# Altium PCB MB1191.PcbDoc (part 7 of 7)
Units mm, origin at the board's own origin, x right, y up, seen from the top; angles counter-clockwise.
Board outline 130 x 80 mm, 8 copper layers (Top, F2, F3, F4, F5, F6, F7, Bottom), stack 1.115 mm thick; 358 components, 347 nets, 1452 pads, 1074 vias.
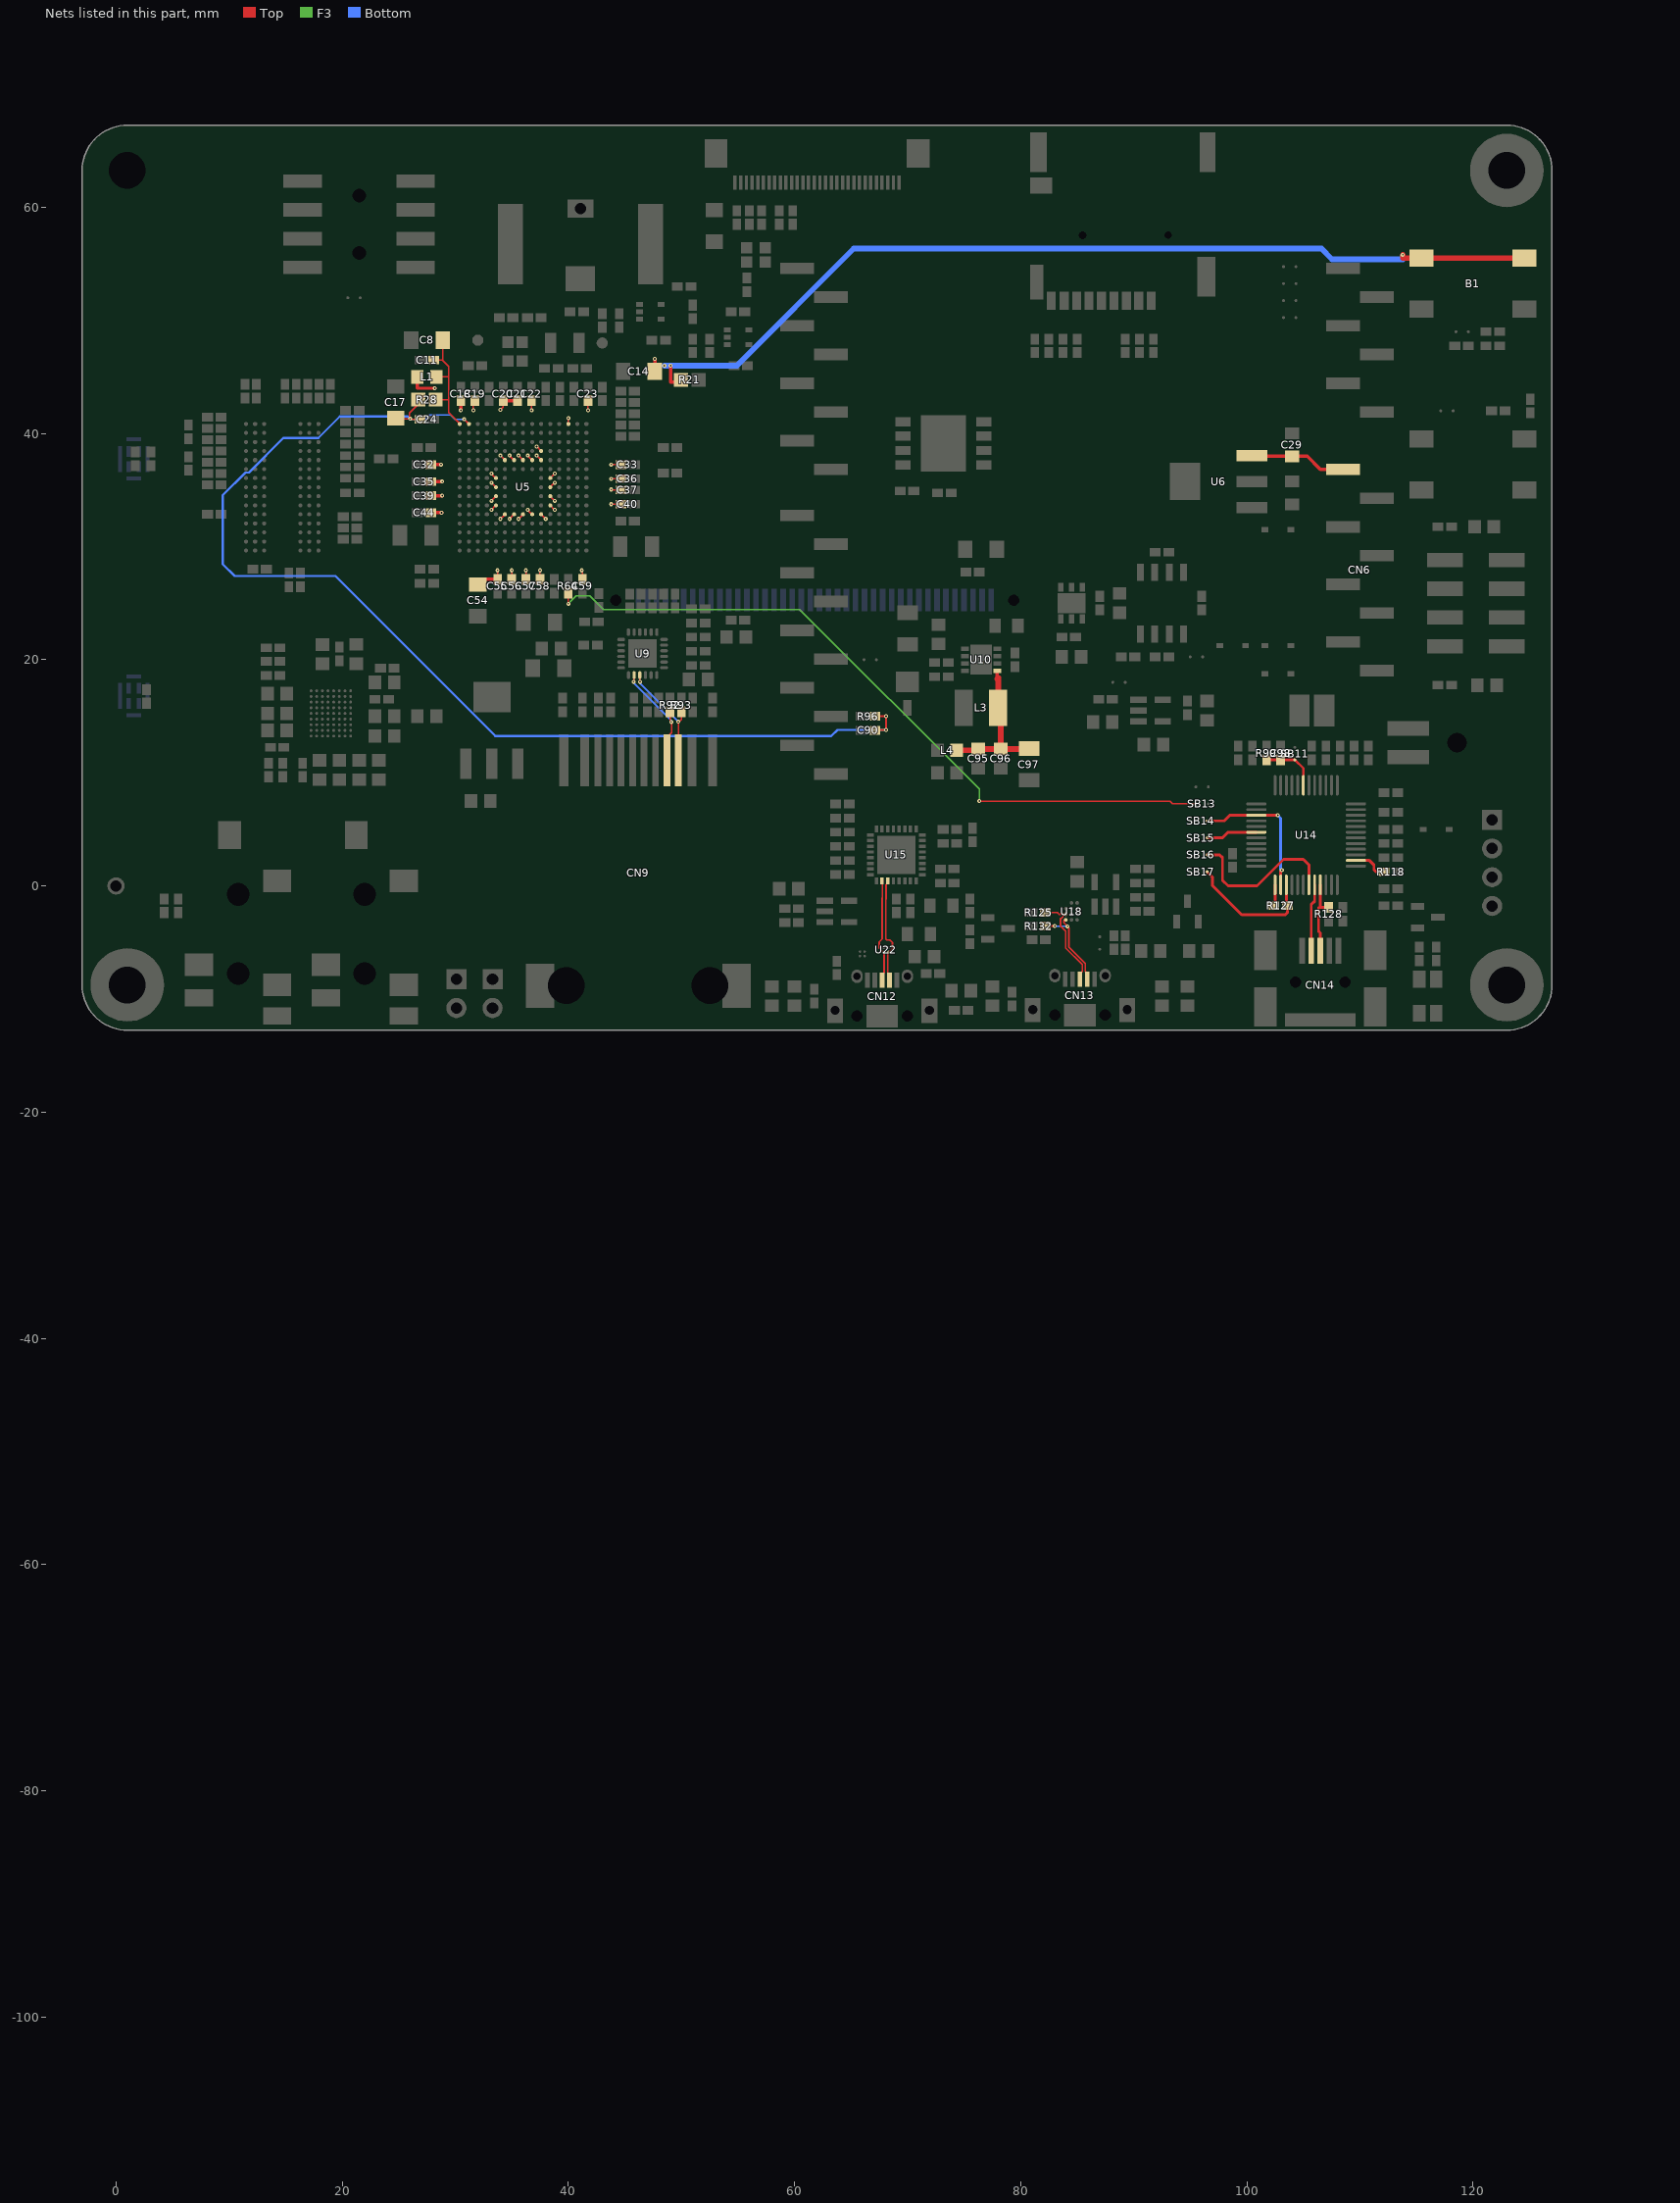
[diagram p13: the nets of this part, all layers, seen from the top]

## Via types
v1: diameter 0.35, hole 0.15, Top to Bottom, tented both sides, 1046 vias
v2: diameter 0.25, hole 0.1, Top to Bottom, tented both sides, 26 vias
v3: diameter 0.3, hole 0.1, Top to Bottom, tented both sides, 2 vias

## Nets (pads, with @x,y where several pads share a name; then routed paths per layer and width w, separated by ;. In a path a pad name is that pad's centre, name@x,y a point inside that pad or via, vN(x,y) a via of type N, cw(c..) or ccw(c..) an arc to the next point about the centre after c; other vN are vias at no path point) (continued)
STM_RST: C98.2 R99.1 SB11.2 U14.7 | length 5.1
  Top w0.2: SB11.2@104.25,11.15 105,10.4 U14.7@105,8.9
  Top w0.25: R99.1@101.75,11.15 C98.2@103,11.15 SB11.2@104.25,11.15
T_JTCK: SB14.1 U14.15 U14.26 | length 12.8
  Top w0.25: SB14.1@96.5,5.75 98,5.75 98.5,6.25 U14.15@100.85,6.25 v1(102.75,6.25) ; U14.26@103,0.1 103,1.3 v1(103.1,1.4)
  Bottom w0.25: v1(102.75,6.25) 103,6 103,1.5 v1(103.1,1.4)
T_JTMS: R127.1 SB17.1 U14.27 | length 11.7
  Top w0.25: SB17.1@96.5,1.25 96.95,0.8 96.95,0.05 99.55,-2.55 103.4,-2.55 103.6,-2.35 R127.1@103.6,-1.75 103.5,-1.75 U14.27@103.5,0.1
T_NRST: SB15.1 U14.18 | length 4.6
  Top w0.25: SB15.1@96.5,4.25 97.85,4.25 98.35,4.75 U14.18@100.85,4.75
T_SWDIO_IN: R127.2 U14.25 | length 2
  Top w0.25: R127.2@102.4,-1.75 102.5,-1.75 U14.25@102.5,0.1
T_SWO: SB16.1 U14.31 | length 14.2
  Top w0.25: SB16.1@96.5,2.75 97.6,2.75 97.85,2.5 97.85,0.5 98.35,0 100.9,0 103.25,2.35 105,2.35 105.5,1.85 U14.31@105.5,0.1
TD_N: CN9.4 R92.2 U9.20 | length 10.2
  Top w0.125: v1(45.77,18.05) 45.822,18.05 U9.20@45.822,18.639 ; CN9.4@48.726,11.099 48.726,13.12 49.15,13.544 49.15,14.5 v1(49.1,14.5) 49,14.5 R92.2@49,15.4
  Bottom w0.125: v1(45.77,18.05) 45.8,18.05 45.8,17.941 49.11,14.631 49.11,14.5 v1(49.1,14.5)
TD_P: CN9.3 R93.2 U9.21 | length 10
  Top w0.125: U9.21@46.322,18.639 46.322,18.05 v1(46.34,18.05) ; CN9.3@49.742,11.099 49.742,14.468 49.71,14.5 v1(49.72,14.51) 49.8,14.51 50,14.71 R93.2@50,15.4
  Bottom w0.125: v1(46.34,18.05) 46.34,17.91 49.72,14.53 v1(49.72,14.51)
USB_DM: CN14.2 U14.32 | length 6
  Top w0.25: CN14.2@105.703,-5.75 105.703,-1.647 106,-1.35 U14.32@106,0.1
USB_DP: CN14.3 R128.1 U14.33 | length 6.8
  Top w0.25: U14.33@106.5,0.1 106.5,-1.8 106.4,-1.9 ; CN14.3@106.503,-5.75 106.503,-4.153 106.35,-4 106.35,-1.95 106.4,-1.9 ; R128.1@107.25,-1.9 106.4,-1.9
USB_FS1_N: CN13.2 R132.2 U18.D1 | length 8.2
  Top w0.15: R132.2@82.2,-3.55 v1(83.03,-3.55) ; U18.D1@84,-3 83.88,-3 83.83,-3.05 83.83,-3.25 v1(84.15,-3.57) 84.15,-3.59 84.26,-3.7 84.26,-5.38 85.73,-6.85 85.73,-7.56 85.9,-7.73 CN13.2@85.9,-8.25
  Bottom w0.15: v1(83.03,-3.55) 83.03,-3.57 v1(84.15,-3.57)
USB_FS1_P: CN13.3 R125.2 U18.C1 | length 8.7
  Top w0.15: R125.2@82.2,-2.35 83.25,-2.35 83.4,-2.5 U18.C1@83.94,-2.5 ; U18.C1@84,-2.5 U18.C1@83.94,-2.5 ; CN13.3@85.25,-8.25 85.25,-7.75 85.45,-7.55 85.45,-6.959 83.98,-5.489 83.98,-4.01 83.54,-3.57 83.54,-2.9 U18.C1@83.94,-2.5
USB_HS_N: CN12.2 U15.19 U22.B1 | length 9.5
  Top w0.15: U15.19@68.175,0.508 U15.19@68.25,0.583 ; U15.19@68.25,0.303 68.25,0.25 68.095,0.095 68.095,-1.188 68.07,-1.213 68.07,-4.687 68.158,-4.775 68.438,-4.775 68.67,-5.007 68.67,-5.533 68.242,-5.96 68.242,-7.678 68.407,-7.843 CN12.2@68.407,-8.318 ; U22.B1@68.26,-5.904 68.3,-5.864 U22.B1@68.3,-5.85
USB_HS_P: CN12.3 U15.18 U22.A1 | length 9.3
  Top w0.15: CN12.3@67.76,-8.315 CN12.3@67.757,-8.318 67.757,-7.843 67.922,-7.678 67.922,-5.925 67.495,-5.498 67.495,-4.957 67.75,-4.702 67.75,-1.08 67.775,-1.055 67.775,0.145 67.75,0.17 U15.18@67.75,0.45 U15.18@67.825,0.375 ; U22.A1@67.9,-5.85 67.9,-5.864 U22.A1@67.94,-5.904
USB_RENUMN: R118.2 U14.38 | length 3.1
  Top w0.25: U14.38@109.65,2.25 110.85,2.25 111.25,1.85 111.25,1.45 111.45,1.25 R118.2@112.15,1.25
VCP_TX: R64.1 SB13.1 | length 65
  Top w0.12: v1(40,24.95) R64.1@40,25.9 ; v1(76.35,7.5) 93.2,7.5 93.45,7.25 SB13.1@95.5,7.25
  F3 w0.12: v1(40,24.95) 40.7,25.65 41.9,25.65 43.1,24.45 60.45,24.45 76.35,8.55 v1(76.35,7.5)
VDD: B1.1 B1.4 C14.1 C18.2 C19.2 C20.2 C21.2 C22.2 C23.2 C32.2 C33.2 C35.2 C36.2 C37.2 C39.2 C40.2 C44.2 C54.1 C55.2 C56.2 C57.2 C58.2 C59.2 L1.1 R21.1 U5.C1 U5.E7 U5.E8 U5.E9 U5.E10 U5.F4 U5.F5 U5.F11 U5.G5 U5.G11 U5.H5 U5.H11 U5.J5 U5.J11 U5.K5 U5.K11 U5.L7 U5.L8 U5.L9 U5.L10 | length 118.4
  Top w0.12: v1(31.6,42.05) 31.6,42.9 C19.2@31.75,42.9 ; v1(33.2,33.25) U5.L10@33.6,33.65 ; v1(33.2,34.05) U5.L9@33.6,34.45 ; v1(33.2,35.65) U5.L8@33.6,35.25 ; v1(33.2,36.45) U5.L7@33.6,36.05 ; C55.2@33.75,27.1 v1(33.75,27.9) ; v1(34,32.45) U5.K11@34.4,32.85 ; v1(34,38.05) U5.K5@34.4,37.65 ; v1(34,42.1) 34.25,42.35 C20.2@34.25,42.9 ; v1(34.8,32.45) U5.J11@35.2,32.85 ; v1(34.8,38.05) U5.J5@35.2,37.65 ; C56.2@35,27.1 v1(35,27.9) ; v1(35.6,32.45) U5.H11@36,32.85 ; v1(35.6,38.05) U5.H5@36,37.65 ; C57.2@36.25,27.1 v1(36.25,27.9) ; v1(36.4,33.25) U5.G11@36.8,32.85 ; v1(36.4,38.05) U5.G5@36.8,37.65 ; v1(36.75,42.05) C22.2@36.75,42.9 ; v1(37.2,38.05) U5.F5@37.6,37.65 ; v1(37.2,38.85) U5.F4@37.6,38.45 ; C58.2@37.5,27.1 v1(37.5,27.9) ; U5.F11@37.6,32.85 v1(38,32.45) ; U5.E10@38.4,33.65 v1(38.8,33.25) ; U5.E9@38.4,34.45 v1(38.8,34.05) ; U5.E8@38.4,35.25 v1(38.8,35.65) ; U5.E7@38.4,36.05 v1(38.8,36.45) ; U5.C1@40,40.85 v1(40,41.35) ; v1(41.2,27.9) 41.25,27.85 C59.2@41.25,27.1 ; v1(41.75,42.05) C23.2@41.75,42.9 ; v1(43.8,33.75) C40.2@44.65,33.75 ; v1(43.8,35.05) 43.8,35 C37.2@44.65,35 ; v1(43.8,36) C36.2@44.65,36 ; v1(43.8,37.25) C33.2@44.65,37.25 ; v1@47.647,46.6 v1(47.65,46.6)
  Top w0.3: L1.1@26.65,45.35 26.65,44 v1(28.2,44) ; C44.2@27.85,33 v1(28.8,33) ; C39.2@27.85,34.5 v1(28.85,34.5) ; C35.2@27.85,35.75 v1(28.85,35.75) ; C32.2@27.85,37.25 v1(28.75,37.25) ; v1(30.5,42.05) C18.2@30.5,42.9 ; C54.1@32,26.647 32,27.1 C55.2@33.75,27.1 ; C20.2@34.25,42.9 C21.2@35.5,42.9 ; C14.1@47.647,45.5 v1@47.647,46.6 ; v1(49.05,46) 49.05,44.55 49.975,44.55 R21.1@49.975,44.75
  Top w0.5: v1(113.8,55.8) 113.8,55.5 B1.4@124.55,55.5
  Bottom w0.5: v1(48.5,46) v1(49.05,46) 54.9,46 65.25,56.35 106.6,56.35 107.55,55.4 113.8,55.4 v1@113.8,55.725
VDDA: C8.1 C11.2 L1.2 R28.1 U5.R1 | length 11
  Top w0.12: C11.2@28.1,46.5 28.85,46.5 ; R28.1@28.275,43 29.4,43 ; L1.2@28.35,45 29.4,45 ; C8.1@28.897,48.25 28.897,46.503 28.9,46.5 28.85,46.5 ; U5.R1@30.4,40.85 29.4,41.85 29.4,43 ; 28.85,46.5 29.4,45.95 29.4,45 ; 29.4,43 29.4,45
VIN: C29.2 CN6.8 U6.3 | length 8.6
  Top w0.3: U6.3@100.45,38.05 100.45,37.984 C29.2@104,37.984 105.336,37.984 106.5,36.82 CN6.8@108.5,36.82
VL: C95.2 C96.2 C97.1 L3.1 L4.2 U10.1 | length 14.5
  Top w0.3: L3.1@77.925,16 77.925,15.75 L3.1@78.024,15.75 ; 77.925,18.3 U10.1@77.925,19.025 ; C97.1@80.75,12.1 C97.1@80.75,12.147
  Top w0.5: L4.2@74.35,12 76.32,12 C95.2@76.32,12.1 ; C95.2@76.25,12.1 C95.2@76.32,12.1 ; L3.1@77.925,16 78.25,15.675 C96.2@78.25,12.1 ; 77.925,18.3 78.024,18.399 L3.1@78.024,15.75 ; C97.1@80.75,12.1 C96.2@78.25,12.1 ; C95.2@76.32,12.1 C96.2@78.25,12.1
VREF+: C17.1 C24.2 C90.2 R28.2 R96.2 U5.P1 | length 104
  Top w0.12: C17.1@24.75,41.353 24.75,41.3 v1@25.95,41.3 ; v1(26,41.3) v1@25.95,41.3 ; R28.2@26.725,43 26.65,42.5 25.95,41.8 v1@25.95,41.3 ; C24.2@26.9,41.25 26,41.25 v1@25.95,41.3 ; v1(30.8,41.25) U5.P1@31.2,40.85
  Top w0.2: C90.2@67.1,13.75 67.1,13.8 v1(68.1,13.8) v1(68.1,15) R96.2@67.1,15
  Bottom w0.12: v1(26,41.3) 26,41.25 27.34,41.25 27.73,41.64 29.58,41.64 29.97,41.25 v1(30.8,41.25)
  Bottom w0.2: v1(26,41.3) 25.8,41.5 19.8,41.5 17.9,39.6 14.8,39.6 11.75,36.55 11.45,36.55 9.45,34.55 9.45,28.45 10.5,27.4 19.4,27.4 33.55,13.25 63.25,13.25 63.8,13.8 v1(68.1,13.8)
pads on no net: CN2.2 CN2.6 CN2.9 CN2.10 CN3.NPTH1 CN3.NPTH2 CN6.1 CN9.9 CN9.15 CN9.16 CN10.1 CN10.5 CN10.7 CN10.8 CN11.1 CN11.5 CN11.7 CN11.8 CN12.11 CN12.12 CN13.11 CN13.12 CN14.11 CN14.12 FX4.1 JP2.0 P1.2 P1.3 P1.12 P1.13 P1.18 P1.22 P1.24 P1.31 P1.32 U1.1 U2.1 U3.9 U4.E3 U4.E7 U4.H3 U4.H7 U4.K2 U4.K3 U7.3 U7.5 U9.4 U10.5 U11.A6 U11.A8 U11.B4 U11.B5 U11.B6 U11.B8 U11.B9 U11.C4 U11.C5 U11.C7 U11.C8 U11.E1 U11.E5 U11.F4 U11.F5 U11.F6 U11.F8 U11.F9 U11.G4 U11.H2 U11.H3 U11.H4 U11.H5 U14.4 U14.11 U14.14 U14.16 U14.17 U14.19 U14.21 U14.22 U14.29 U14.40 U14.41 U14.42 U14.43 U14.45 U14.46 U15.12 U15.15 U15.16 U15.25 U18.A2 U18.B1 U18.B2 U18.C2 U19.NPTH1 U19.NPTH2
copper on no net: | length 288
  Top w0.21: 99.8,60.55 99.8,66.55 111.8,66.55 111.8,60.55 99.8,60.55
  F2 w0.21: 99.8,60.55 111.8,60.55 111.8,66.55 99.8,66.55 99.8,60.55
  F3 w0.21: 99.8,60.55 111.8,60.55 111.8,66.55 99.8,66.55 99.8,60.55
  F4 w0.21: 99.8,60.55 111.8,60.55 111.8,66.55 99.8,66.55 99.8,60.55
  F5 w0.21: 99.8,60.55 111.8,60.55 111.8,66.55 99.8,66.55 99.8,60.55
  F6 w0.21: 99.8,60.55 111.8,60.55 111.8,66.55 99.8,66.55 99.8,60.55
  F7 w0.21: 99.8,60.55 111.8,60.55 111.8,66.55 99.8,66.55 99.8,60.55
  Bottom w0.21: 99.725,60.475 111.725,60.475 111.725,66.475 99.725,66.475 99.725,60.475

## Polygon pours and split planes (outlines as drawn)
GND on Top "TEMPLATE22" (solid, remove dead copper, pour order 126): -3,-8.75 -3,63.25 cw(c1,63.25) 1,67.25 123,67.25 cw(c123,63.25) 127,63.25 127,-8.75 cw(c123,-8.75) 123,-12.75 75.7,-12.75 75.7,-7.65 74.9,-6.85 61.2,-6.85 60.4,-7.65 60.4,-12.783 23.495,-12.75 5.08,-12.75 0.985,-12.743 cw(c0.993,-8.75)
NetC120_2 on Top "TEMPLATE 1" (solid, remove dead copper, pour order 125): 61,-12.75 61,-7.95 61.7,-7.25 74.2,-7.25 74.8,-7.85 74.8,-12.75
5V_ST_LINK on Top "tpl6" (solid, remove dead copper, pour order 116): 114.55,25.1 117.7,25.1 117.7,27.39 114.55,27.39
5V_USB_HS on Top "TEMPLATE5" (solid, remove dead copper, pour order 118): 114.55,19.99 117.68,19.99 117.68,22.37 114.55,22.37
3V3 on Top "TEMPLATE15" (solid, remove dead copper, pour order 113): 34.9,12.25 34.9,8.65 35.1,8.45 36,8.45 36.2,8.65 36.2,12.25
E5V on Top "TEMPLATE9" (solid, remove dead copper, pour order 122): 105.75,36.25 96.4,36.25 96.1,36.55 96.1,37.55 93,37.55 93,33.95 96.1,33.95 96.1,35.05 96.3,35.25 106.75,35.25
1V8 on Top "TEMPLATE16" (solid, remove dead copper, pour order 123): 31.5,18.15 31.5,14.95 32.7,13.75 32.7,9.35 32.5,9.15 32.5,6.75 34.3,6.75 34.5,6.95 34.5,8.66 33.8,9.36 33.8,13.65 35,14.85 35,18.15
VIN on Top "TEMPLATE18" (solid, remove dead copper, pour order 121): 98.9,38.65 98.9,37.45 105.3,37.45 106.5,36.25 110.1,36.25 110.1,37.45 106.8,37.45 105.6,38.65
GND on Top "TEMPLATE19" (solid, remove dead copper, pour order 120): 99,34.05 102.7,34.05 103,34.35 104.8,34.35 104.9,34.25 104.9,32.55 104.8,32.45 103,32.45 102.6,32.85 99,32.85
5V on Top "TEMPLATE14" (solid, remove dead copper, pour order 119): 85.2,23.92 86.4,23.92 86.4,24.89 89.5,24.89 89.5,23.15 89.2,22.85 85.2,22.85
5V_USB_FS on Top "TEMPLATE7" (solid, remove dead copper, pour order 115): 114.55,22.57 117.67,22.57 117.67,24.86 114.55,24.86
3V3 on Top "TEMPLATE12" (solid, remove dead copper, pour order 114): 83.29,24.01 83.29,23.19 82.9,22.8 82.9,18.85 83.1,18.65 84.1,18.65 84.34,18.89 84.34,21.11 84.16,21.29 84.16,22.81 83.81,23.16 83.81,24.01
5V on Top "tpl8" (solid, remove dead copper, pour order 124): 119.4,18.75 123.15,18.75 123.15,29.94 120.25,29.94 120.25,29.95 119.4,29.95
E5V on Top "tpl7" (solid, remove dead copper, pour order 117): 114.55,27.65 117.7,27.65 117.7,29.94 114.55,29.94
GND on F5 "tpl3" (solid, remove dead copper, pour order 135): -3,-8.75 -3,63.25 cw(c1,63.25) 1,67.25 123,67.25 cw(c123,63.25) 127,63.25 127,-8.75 cw(c123,-8.75) 123,-12.75 75.7,-12.75 60.4,-12.75 60.4,-12.783 23.495,-12.75 5.08,-12.75 0.985,-12.743 cw(c0.993,-8.75)
5V_USB_HS on F5 "TEMPLATE6" (solid, remove dead copper, pour order 133): 115.3,22.3 113,20 104.75,20 92.75,8 92.75,1.05 87.2,-4.5 66.3,-4.5 66.3,-6.98 66.57,-7.25 91.5,-7.25 117.5,18.75 117.5,22.3
5V on F5 "TEMPLATE13" (solid, remove dead copper, pour order 134): 124.5,32.05 83.25,32.05 83.25,5 79,0.75 60,0.75 57.9,2.85 30.9,2.85 26.5,7.25 12.3,7.25 9.2,10.35 9.2,46.75 11.6,49.15 21.5,49.15 23.5,51.15 23.5,52.55 23.1,52.95 22.2,52.95 20.3,51.05 10.8,51.05 7.6,47.85 7.6,8.75 13.35,3 26.5,3 31.25,-1.75 83.75,-1.75 87.8,2.3 87.8,21.05 94.75,28 118.4,28 118.4,18.15 116.75,16.5 116.75,4.75 118.249,4.75 124.5,10.997
5V_USB_FS on F5 "tpl5" (solid, remove dead copper, pour order 131): 115.8,24.75 115.8,22.55 114.8,22.55 112.7,20.45 104.75,20.45 92.5,8.2 92.5,1.2 87.05,-4.25 85.95,-4.25 85.95,-0.7 88.4,1.75 88.4,13.25 99.9,24.75
5V_ST_LINK on F5 "tpl4" (solid, remove dead copper, pour order 130): 92.25,19.25 93.9,19.25 99.9,25.25 115.75,25.25 115.75,27.25 95,27.25 92.25,24.5
1V8 on F5 "TEMPLATE17" (solid, remove dead copper, pour order 132): 33.15,9.5 33,9.65 30.46,9.65 26.43,13.68 26.43,20.3 25.45,21.28 14.68,21.28 13.98,20.58 13.98,11.38 15.23,10.13 25.02,10.13 29.65,5.5 70.25,5.5 72.8,2.95 72.8,2.85 73,2.65 73.4,2.65 73.6,2.85 73.6,6.65 70.75,9.5
GND on F6 "tpl2" (solid, remove dead copper, pour order 138): -3,-8.75 -3,63.25 cw(c1,63.25) 1,67.25 123,67.25 cw(c123,63.25) 127,63.25 127,-8.75 cw(c123,-8.75) 123,-12.75 75.7,-12.75 60.4,-12.75 60.4,-12.783 23.495,-12.75 5.08,-12.75 0.985,-12.743 cw(c0.993,-8.75)
E5V on F6 "TEMPLATE10" (solid, remove dead copper, pour order 137): 103,37 103,31.029 113.953,31.029 113.953,27.4 116.25,27.4 116.25,10.5 124,10.5 124,37
3V3_ST_LINK on F6 "TEMPLATE0" (solid, remove dead copper, pour order 136): 122.75,6.9 120.85,6.9 117.75,10 113.25,10 111.5,11.75 111.5,16.5 110.72,17.28 96.99,17.28 96.99,15.6 98,14.59 98,-2 99,-3 113.5,-3 114.75,-4.25 114.75,-11.75 115.25,-12.25 117.5,-12.25 118.25,-11.5 118.25,3.75 119.25,4.75 122.75,4.75
GND on Bottom "tpl1" (solid, remove dead copper, pour order 144): -3,-8.75 -3,63.25 cw(c1,63.25) 1,67.25 123,67.25 cw(c123,63.25) 127,63.25 127,-8.75 cw(c123,-8.75) 123,-12.75 75.7,-12.75 60.4,-12.75 60.4,-12.783 23.495,-12.75 5.08,-12.75 0.985,-12.743 cw(c0.993,-8.75)
3V3_ST_LINK on Bottom "TEMPLATE11" (solid, remove dead copper, pour order 143): 91.7,16.85 91.7,16.05 94.1,16.05 94.4,15.75 97.8,15.75 97.9,15.85 97.9,16.95 97.8,17.05 94.3,17.05 94.1,16.85
3V3 on F7 "TEMPLATE3" (solid, remove dead copper, pour order 142): -3,-8.75 -3,63.25 cw(c1,63.25) 1,67.25 123,67.25 cw(c123,63.25) 127,63.25 127,-8.75 cw(c123,-8.75) 123,-12.75 75.7,-12.75 60.4,-12.75 60.4,-12.783 23.495,-12.75 5.08,-12.75 0.985,-12.743 cw(c0.993,-8.75)
GND on F7 "TEMPLATE21" (solid, remove dead copper, pour order 139): 48.198,13.65 48.198,14.918 45.198,17.85 45.198,21.95 48.1,21.95 48.1,17.85 51,14.95 51,13.65
GND on F7 "TEMPLATE20" (solid, remove dead copper, pour order 140): 80.3,-13.65 90.17,-13.65 90.17,-1.6 79.52,-1.6 79.52,-4.577 80.3,-4.577
VDD on F7 "TEMPLATE4" (solid, remove dead copper, pour order 141): 27.5,29.25 29,29.25 29,26.75 42,26.75 42,28.25 45,28.25 45,44.25 49.5,44.25 49.5,47.25 27.5,47.25
GND on F2 "TEMPLATE2" (solid, remove dead copper, pour order 127): -3,-8.75 -3,63.25 cw(c1,63.25) 1,67.25 123,67.25 cw(c123,63.25) 127,63.25 127,-8.75 cw(c123,-8.75) 123,-12.75 75.7,-12.75 60.4,-12.75 60.4,-12.783 23.495,-12.75 5.08,-12.75 0.985,-12.743 cw(c0.993,-8.75)
GND on F3 "TEMPLATE24" (solid, remove dead copper, pour order 128): -3,-8.75 -3,63.25 cw(c1,63.25) 1,67.25 123,67.25 cw(c123,63.25) 127,63.25 127,-8.75 cw(c123,-8.75) 123,-12.75 75.7,-12.75 60.4,-12.75 60.4,-12.783 23.495,-12.75 5.08,-12.75 0.985,-12.743 cw(c0.993,-8.75)
GND on F4 "tpl0" (solid, remove dead copper, pour order 129): -3,-8.75 -3,63.25 cw(c1,63.25) 1,67.25 123,67.25 cw(c123,63.25) 127,63.25 127,-8.75 cw(c123,-8.75) 123,-12.75 75.7,-12.75 60.4,-12.75 60.4,-12.783 23.495,-12.75 5.08,-12.75 0.985,-12.743 cw(c0.993,-8.75)

## Keep-outs
Keep-Out Layer:
  the board outline again, w0.25

## Other copper
Top:
  pour cut-out: 13.97,67.209 13.97,50.927 -2.885,50.927 -3,63.25 cw(c0.953,63.287) 0.963,67.24
  pour cut-out: 94.62,7.036 94.62,1.75 94.846,1.75 94.846,7.036
  pour cut-out: 36.325,29.488 36.475,29.488 36.475,29.675 36.325,29.675
  pour cut-out: 18.062,33.975 18.062,34.125 17.875,34.125 17.875,33.975
  pour cut-out: 16.625,29.488 16.775,29.488 16.775,29.675 16.625,29.675
  pour cut-out: 11.338,30.925 11.338,30.775 11.525,30.775 11.525,30.925
  pour cut-out: 11.338,31.725 11.338,31.575 11.525,31.575 11.525,31.725
  pour cut-out: 11.338,32.525 11.338,32.375 11.525,32.375 11.525,32.525
  pour cut-out: 13.262,33.325 13.262,33.175 13.075,33.175 13.075,33.325
  pour cut-out: 12.625,41.012 12.637,41 12.95,41 12.95,40.7 13.125,40.525 13.25,40.525 13.25,40.375 13.025,40.375
  pour cut-out: 16.137,38.925 16.138,38.925 16.275,38.925 16.275,38.775 16.138,38.775
  pour cut-out: 13.262,36.525 13.262,36.375 13.175,36.375 13.175,36.525
  pour cut-out: 13.263,38.125 13.263,37.975 13.262,37.975 13.175,37.975 13.175,38.125
  pour cut-out: 16.15,35.725 16.15,35.575 16.225,35.575 16.225,35.725
  pour cut-out: 16.138,36.525 16.138,36.375 16.2,36.375 16.2,36.525
  pour cut-out: 99.45,67.157 99.45,60.2 112.15,60.2 112.15,67.207
  pour cut-out: 65.7,-2.775 65.7,-2.55 65.575,-2.55 65.575,-2.775
  pour cut-out: 63.125,-5.45 63.05,-5.525 63.05,-6.849 67.123,-6.849 67.1,-6.826 67.1,-5.45
  pour cut-out: 61.8,-1.725 61.8,-2.775 62.1,-2.775 62.1,-1.725
  text "1" at 100.911,64.25 h1.5
  text ".Layer_Name" at 197.65,-112.032 h4
  text ".GTL" at 261.6,-112.075 h4
F2:
  pour cut-out: 41.325,60.45 cw(c41.307,59.807) 41.325,59.164 40.696,59.164 cw(c40.696,59.812) 40.575,60.45
  pour cut-out: 13.97,67.209 13.97,50.927 -2.885,50.927 -3,63.25 cw(c0.953,63.287) 0.963,67.24
  pour cut-out: 99.45,67.157 99.45,60.2 112.15,60.2 112.15,67.207
  text "2" at 103.7,64.417 h1.33
  text ".Layer_Name" at 197.65,-112.032 h4
  text ".G1" at 261.6,-112.075 h4
F3:
  pour cut-out: 41.325,60.45 cw(c41.307,59.807) 41.325,59.164 40.696,59.164 cw(c40.696,59.812) 40.575,60.45
  pour cut-out: 13.97,67.209 13.97,50.927 -2.885,50.927 -3,63.25 cw(c0.953,63.287) 0.963,67.24
  pour cut-out: 99.45,67.157 99.45,60.2 112.15,60.2 112.15,67.207
  text "3" at 106.8,64.417 h1.33
  text ".Layer_Name" at 197.65,-112.032 h4
  text ".G2" at 261.6,-112.075 h4
F4:
  pour cut-out: 41.325,60.45 cw(c41.307,59.807) 41.325,59.164 40.696,59.164 cw(c40.696,59.812) 40.575,60.45
  pour cut-out: 13.97,67.209 13.97,50.927 -2.885,50.927 -3,63.25 cw(c0.953,63.287) 0.963,67.24
  pour cut-out: 4.399,-8.655 4.398,-8.845 4.075,-8.845 4.075,-8.655
  pour cut-out: 1.095,-12.15 0.905,-12.149 0.905,-11.875 1.095,-11.875
  pour cut-out: -2.4,-8.845 -2.4,-8.655 -2.125,-8.655 -2.125,-8.845
  pour cut-out: 0.88,-5.351 1.07,-5.352 1.07,-5.65 0.88,-5.65
  pour cut-out: 122.905,66.649 123.095,66.648 123.095,66.35 122.905,66.35
  pour cut-out: 119.601,63.155 119.602,63.345 119.9,63.345 119.9,63.155
  pour cut-out: 123.12,59.85 122.93,59.851 122.93,60.125 123.12,60.125
  pour cut-out: 126.399,63.345 126.398,63.155 126.1,63.155 126.1,63.345
  pour cut-out: 126.399,-8.655 126.398,-8.845 126.1,-8.845 126.1,-8.655
  pour cut-out: 123.12,-12.15 122.93,-12.149 122.93,-11.875 123.12,-11.875
  pour cut-out: 119.601,-8.845 119.602,-8.655 119.9,-8.655 119.9,-8.845